# KiCad board 8ch-mosfet.kicad_pcb (continued)
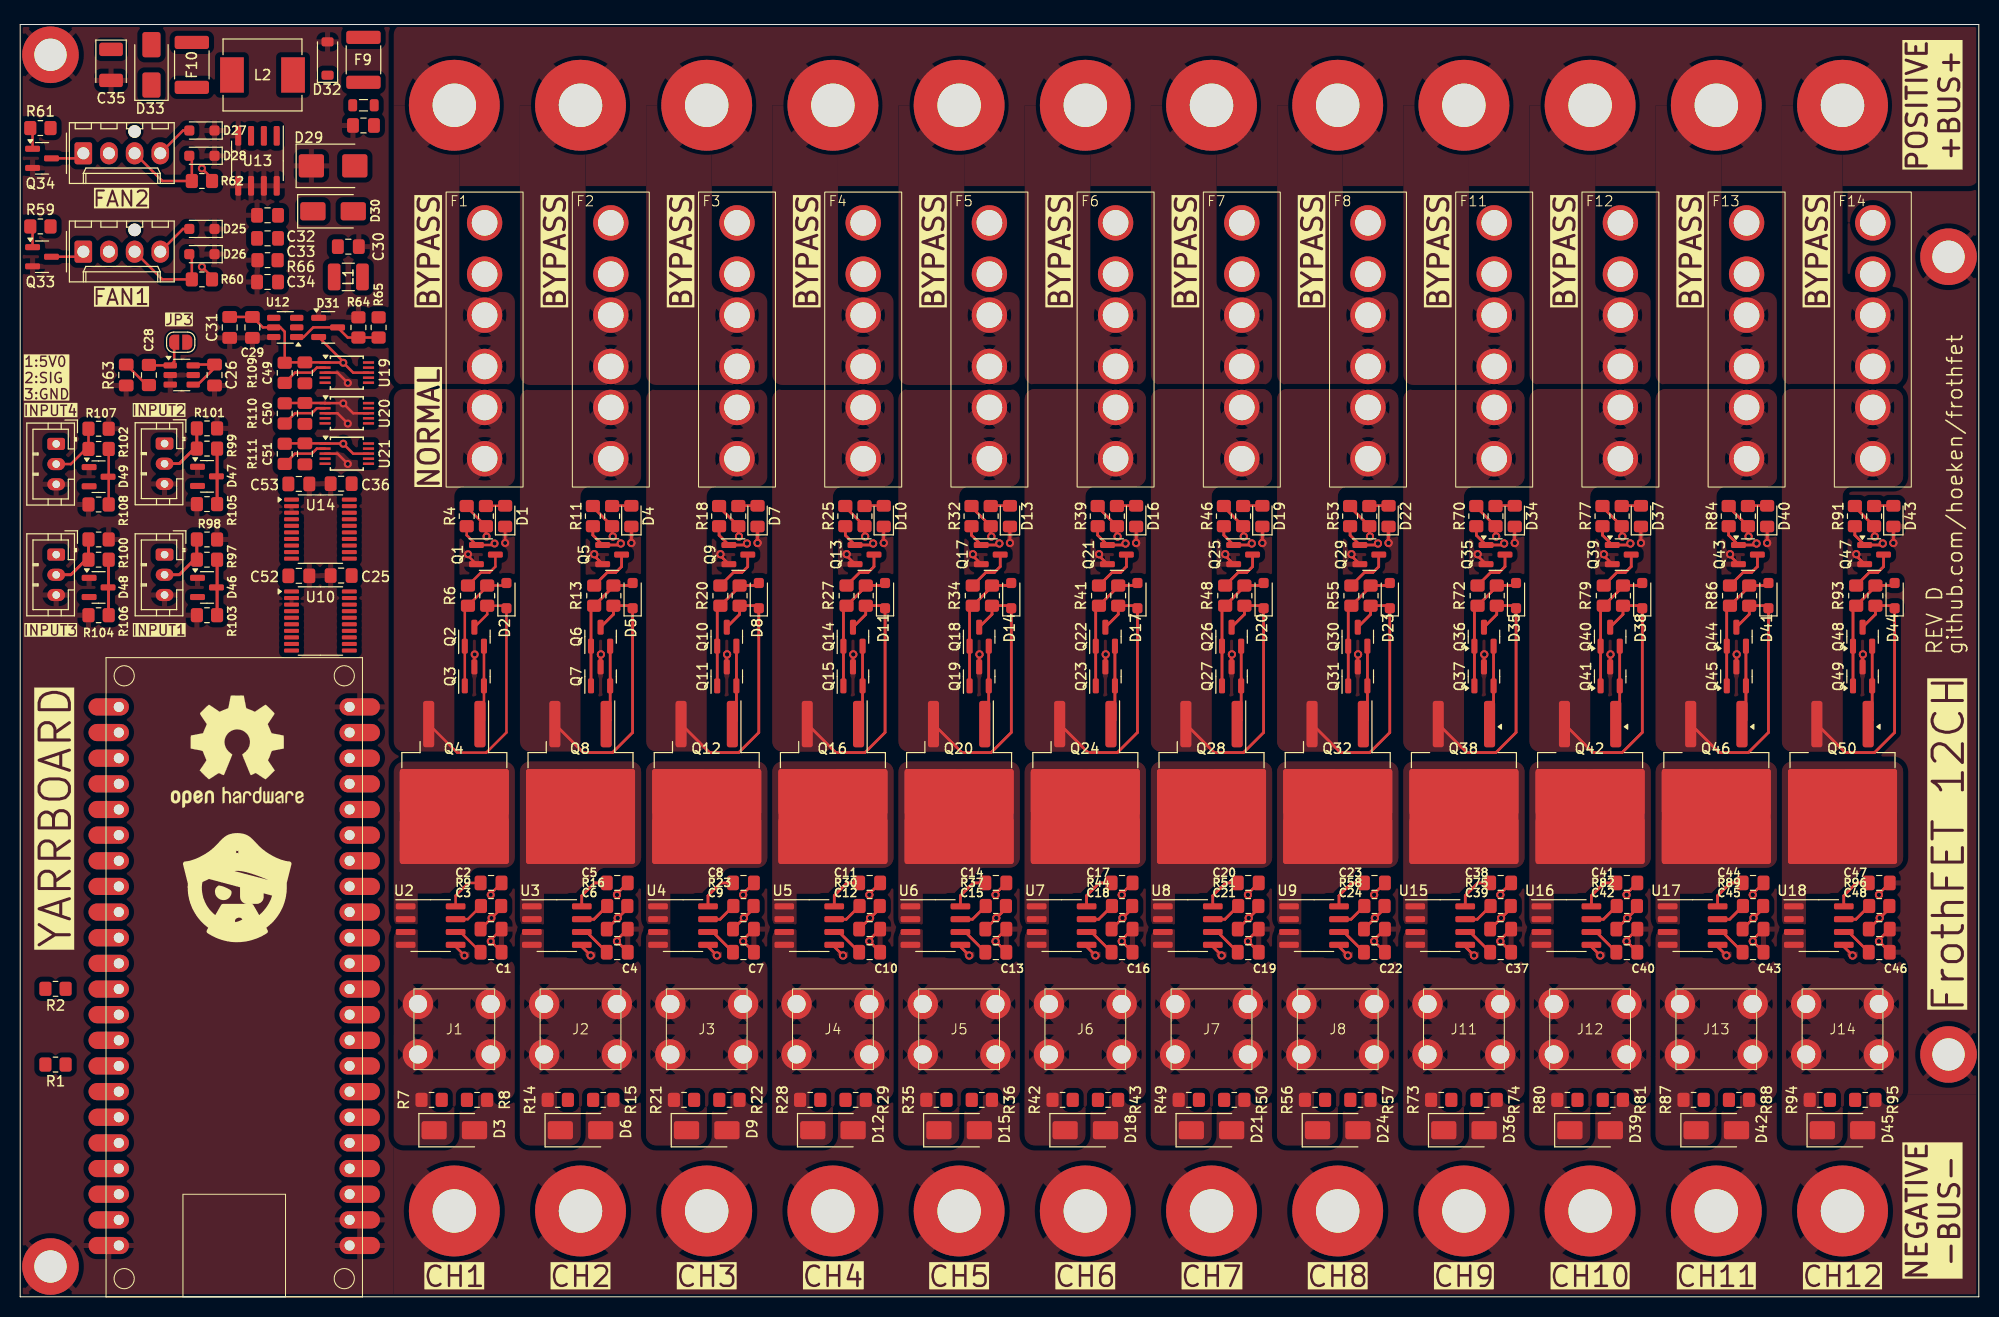
[diagram p0: board, top side]
## Routing (per net, layer and track width the routed paths; a pad name or vN(x,y) marks a point on that pad's centre or on a via; arc(x,y) is an arc through that point) (continued)
/CHANNEL 9/CURRENT_ADC: length 6.3
  Top w0.25: v1(146.68,37.51) 146.68,37.5 ; v1(146.68,37.51) 146.7,37.51 ; v1(146.68,37.51) 146.68,37.5 ; v1(146.68,37.51) 146.7,37.51 ; 146.68,37.5 C39.1 146.68,37.5 ; 146.7,37.51 147.64,38.45 ; 146.7,37.51 147.64,38.45 ; 147.64,38.45 R75.1 147.64,38.45
/CHANNEL 9/PWM: length 7.7
  Top w0.25: R69.2 146.13,75.36 ; R69.2 144.22,78.22 ; R69.2 146.13,75.36 ; R69.2 144.22,78.22 ; 146.13,75.36 v1(146.19,75.29) 146.13,75.36 ; 144.22,78.22 R70.1 144.22,78.22
/CHANNEL 10/CURRENT_ADC: length 6.3
  Top w0.25: 159.2,37.51 160.14,38.45 ; 159.2,37.51 v1(159.18,37.51) ; 159.2,37.51 160.14,38.45 ; 159.2,37.51 v1(159.18,37.51) ; 160.14,38.45 R82.1 160.14,38.45 ; v1(159.18,37.51) 159.18,37.5 ; v1(159.18,37.51) 159.18,37.5 ; 159.18,37.5 C42.1 159.18,37.5
/CHANNEL 10/PWM: length 7.7
  Top w0.25: 156.72,78.22 R77.1 156.72,78.22 ; 156.72,78.22 R76.2 ; 156.72,78.22 R76.2 ; R76.2 158.63,75.36 ; R76.2 158.63,75.36 ; 158.63,75.36 v1(158.69,75.29) 158.63,75.36
/CHANNEL 11/CURRENT_ADC: length 6.3
  Top w0.25: v1(171.68,37.51) 171.68,37.5 ; v1(171.68,37.51) 171.68,37.5 ; v1(171.68,37.51) 171.7,37.51 ; v1(171.68,37.51) 171.7,37.51 ; 171.68,37.5 C45.1 171.68,37.5 ; 172.64,38.45 R89.1 172.64,38.45 ; 172.64,38.45 171.7,37.51 ; 172.64,38.45 171.7,37.51
/CHANNEL 11/PWM: length 7.7
  Top w0.25: R83.2 171.13,75.36 ; R83.2 169.22,78.22 ; R83.2 171.13,75.36 ; R83.2 169.22,78.22 ; 171.13,75.36 v1(171.19,75.29) 171.13,75.36 ; 169.22,78.22 R84.1 169.22,78.22
/CHANNEL 12/CURRENT_ADC: length 6.3
  Top w0.25: v1(184.18,37.51) 184.18,37.5 ; v1(184.18,37.51) 184.18,37.5 ; v1(184.18,37.51) 184.2,37.51 ; v1(184.18,37.51) 184.2,37.51 ; 184.18,37.5 C48.1 184.18,37.5 ; 185.14,38.45 R96.1 185.14,38.45 ; 185.14,38.45 184.2,37.51 ; 185.14,38.45 184.2,37.51
/CHANNEL 12/PWM: length 7.7
  Top w0.25: 181.72,78.22 R91.1 181.72,78.22 ; 181.72,78.22 R90.2 ; 181.72,78.22 R90.2 ; 183.63,75.36 v1(183.69,75.29) 183.63,75.36 ; 183.63,75.36 R90.2 ; 183.63,75.36 R90.2
/CURRENT ADC2/A4: length 16.7
  Top w0.25: 19.5,70.31 D46.3 ; 19.5,70.31 R97.1 ; 19.5,70.31 D46.3 ; 19.5,70.31 D46.3 ; 19.5,70.31 R97.1 ; 19.5,70.31 R97.1 ; D46.3 19.5,70.19 ; D46.3 19.5,70.19 ; D46.3 19.5,70.19 ; 19.5,70.19 R103.2 ; 19.5,70.19 R103.2 ; 19.5,70.19 R103.2
/CURRENT ADC2/A5: length 16.7
  Top w0.25: 19.5,81.19 D47.3 ; 19.5,81.19 R105.2 ; 19.5,81.19 R105.2 ; 19.5,81.19 R105.2 ; 19.5,81.19 D47.3 ; 19.5,81.19 D47.3 ; D47.3 19.5,81.31 ; D47.3 19.5,81.31 ; D47.3 19.5,81.31 ; R99.1 19.5,81.31 ; R99.1 19.5,81.31 ; R99.1 19.5,81.31
/CURRENT ADC2/A6: length 16.7
  Top w0.25: 8.77,70.19 D48.3 ; 8.77,70.19 D48.3 ; 8.77,70.19 R106.2 ; 8.77,70.19 R106.2 ; 8.77,70.19 D48.3 ; 8.77,70.19 R106.2 ; D48.3 8.77,70.31 ; D48.3 8.77,70.31 ; D48.3 8.77,70.31 ; R100.1 8.77,70.31 ; R100.1 8.77,70.31 ; R100.1 8.77,70.31
/CURRENT ADC2/A7: length 5.6
  Top w0.25: R102.1 8.77,81.28 D49.3 8.77,81.15 R108.2
ESP32_5V: length 5.3
  Top w0.25: U11.6 17.22,92.33 C26.1 19.25,91.99 17.6,90.34 U11.4
FAN_PWM1: length 3.8
  Top w0.25: D25.2 16.13,105.76 FAN1.4
FAN_PWM2: length 3.8
  Top w0.25: FAN2.4 16.13,115.5 D27.2
FAN_TACH1: length 9.4
  Top w0.25: FAN1.3 14.08,100.76 R60.1 17,103.01 D26.2
FAN_TACH2: length 9.4
  Top w0.25: FAN2.3 14.08,110.5 R62.1 17,112.75 D28.2
REF_3V3: length 4.6
  Top w0.25: R63.2 12.8,92.24 U11.1 15.25,92.62 JP3.1
Net-(C28-Pad1): length 3.1
  Top w0.25: C28.1 12.54,90.29 R63.1
Net-(D1-A): length 1.9
  Top w0.25: R3.1 46.16,78.34 D1.2
Net-(D2-A): length 12.9
  Top w0.25: D2.2 47.91,70.44 R5.1 46.26,70.34 R6.2 44.04,68.12 Q2.1 Q3.1
Net-(D2-K): length 26.7
  Top w0.25: Q2.3 46.26,67.58 R5.2 47.91,68.44 D2.1 48.16,55.89 46.17,53.89 43.28,53.89 Q4.3
Net-(D4-A): length 3.8
  Top w0.25: 58.66,78.34 D4.2 58.66,78.34 ; 58.66,78.34 R10.1 58.66,78.34
Net-(D5-A): length 25.7
  Top w0.25: R12.1 60.41,70.44 ; R12.1 58.76,70.34 ; R12.1 58.76,70.34 ; R12.1 60.41,70.44 ; 60.41,70.44 D5.2 60.41,70.44 ; Q6.1 Q7.1 Q6.1 ; Q6.1 56.54,68.12 ; Q6.1 56.54,68.12 ; 58.76,70.34 R13.2 ; 58.76,70.34 R13.2 ; R13.2 56.54,68.12 ; R13.2 56.54,68.12
Net-(D5-K): length 53.3
  Top w0.25: R12.2 60.41,68.44 ; R12.2 58.76,67.58 ; R12.2 60.41,68.44 ; R12.2 58.76,67.58 ; 60.41,68.44 D5.1 ; 60.41,68.44 D5.1 ; 58.67,53.89 55.78,53.89 ; 58.67,53.89 55.78,53.89 ; 58.67,53.89 60.66,55.89 ; 58.67,53.89 60.66,55.89 ; 55.78,53.89 Q8.3 55.78,53.89 ; 58.76,67.58 Q6.3 58.76,67.58 ; D5.1 60.66,55.89 ; D5.1 60.66,55.89
Net-(D7-A): length 3.8
  Top w0.25: 71.16,78.34 D7.2 71.16,78.34 ; 71.16,78.34 R17.1 71.16,78.34
Net-(D8-A): length 25.7
  Top w0.25: 71.26,70.34 R20.2 ; 71.26,70.34 R20.2 ; 71.26,70.34 R19.1 ; 71.26,70.34 R19.1 ; R20.2 69.04,68.12 ; R20.2 69.04,68.12 ; 72.91,70.44 D8.2 72.91,70.44 ; 72.91,70.44 R19.1 ; 72.91,70.44 R19.1 ; 69.04,68.12 Q10.1 ; 69.04,68.12 Q10.1 ; Q10.1 Q11.1 Q10.1
Net-(D8-K): length 53.3
  Top w0.25: D8.1 73.16,55.89 ; D8.1 73.16,55.89 ; D8.1 72.91,68.44 ; D8.1 72.91,68.44 ; 73.16,55.89 71.17,53.89 ; 73.16,55.89 71.17,53.89 ; 71.26,67.58 Q10.3 71.26,67.58 ; 71.26,67.58 R19.2 ; 71.26,67.58 R19.2 ; R19.2 72.91,68.44 ; R19.2 72.91,68.44 ; 71.17,53.89 68.28,53.89 ; 71.17,53.89 68.28,53.89 ; 68.28,53.89 Q12.3 68.28,53.89
Net-(D10-A): length 3.8
  Top w0.25: 83.66,78.34 R24.1 83.66,78.34 ; 83.66,78.34 D10.2 83.66,78.34
Net-(D11-A): length 25.7
  Top w0.25: Q14.1 Q15.1 Q14.1 ; Q14.1 81.54,68.12 ; Q14.1 81.54,68.12 ; R27.2 81.54,68.12 ; R27.2 83.76,70.34 ; R27.2 83.76,70.34 ; R27.2 81.54,68.12 ; 83.76,70.34 R26.1 ; 83.76,70.34 R26.1 ; R26.1 85.41,70.44 ; R26.1 85.41,70.44 ; 85.41,70.44 D11.2 85.41,70.44
Net-(D11-K): length 53.3
  Top w0.25: R26.2 85.41,68.44 ; R26.2 85.41,68.44 ; R26.2 83.76,67.58 ; R26.2 83.76,67.58 ; 85.41,68.44 D11.1 ; 85.41,68.44 D11.1 ; 83.67,53.89 80.78,53.89 ; 83.67,53.89 85.66,55.89 ; 83.67,53.89 85.66,55.89 ; 83.67,53.89 80.78,53.89 ; 80.78,53.89 Q16.3 80.78,53.89 ; D11.1 85.66,55.89 ; D11.1 85.66,55.89 ; 83.76,67.58 Q14.3 83.76,67.58
Net-(D13-A): length 3.8
  Top w0.25: 96.16,78.34 R31.1 96.16,78.34 ; 96.16,78.34 D13.2 96.16,78.34
Net-(D14-A): length 25.7
  Top w0.25: Q18.1 Q19.1 Q18.1 ; Q18.1 94.04,68.12 ; Q18.1 94.04,68.12 ; R33.1 97.91,70.44 ; R33.1 96.26,70.34 ; R33.1 96.26,70.34 ; R33.1 97.91,70.44 ; 97.91,70.44 D14.2 97.91,70.44 ; 96.26,70.34 R34.2 ; 96.26,70.34 R34.2 ; R34.2 94.04,68.12 ; R34.2 94.04,68.12
Net-(D14-K): length 53.3
  Top w0.25: 97.91,68.44 D14.1 ; 97.91,68.44 R33.2 ; 97.91,68.44 R33.2 ; 97.91,68.44 D14.1 ; D14.1 98.16,55.89 ; D14.1 98.16,55.89 ; R33.2 96.26,67.58 ; R33.2 96.26,67.58 ; 96.26,67.58 Q18.3 96.26,67.58 ; 96.17,53.89 93.28,53.89 ; 96.17,53.89 93.28,53.89 ; 96.17,53.89 98.16,55.89 ; 96.17,53.89 98.16,55.89 ; 93.28,53.89 Q20.3 93.28,53.89
Net-(D16-A): length 3.8
  Top w0.25: 108.66,78.34 R38.1 108.66,78.34 ; 108.66,78.34 D16.2 108.66,78.34
Net-(D17-A): length 25.7
  Top w0.25: Q22.1 Q23.1 Q22.1 ; Q22.1 106.54,68.12 ; Q22.1 106.54,68.12 ; 108.76,70.34 R41.2 ; 108.76,70.34 R40.1 ; 108.76,70.34 R40.1 ; 108.76,70.34 R41.2 ; R41.2 106.54,68.12 ; R41.2 106.54,68.12 ; R40.1 110.41,70.44 ; R40.1 110.41,70.44 ; 110.41,70.44 D17.2 110.41,70.44
Net-(D17-K): length 53.3
  Top w0.25: 108.67,53.89 105.78,53.89 ; 108.67,53.89 105.78,53.89 ; 108.67,53.89 110.66,55.89 ; 108.67,53.89 110.66,55.89 ; 105.78,53.89 Q24.3 105.78,53.89 ; 108.76,67.58 Q22.3 108.76,67.58 ; 108.76,67.58 R40.2 ; 108.76,67.58 R40.2 ; 110.41,68.44 D17.1 ; 110.41,68.44 R40.2 ; 110.41,68.44 D17.1 ; 110.41,68.44 R40.2 ; D17.1 110.66,55.89 ; D17.1 110.66,55.89
Net-(D19-A): length 3.8
  Top w0.25: 121.16,78.34 R45.1 121.16,78.34 ; 121.16,78.34 D19.2 121.16,78.34
Net-(D20-A): length 25.7
  Top w0.25: R47.1 121.26,70.34 ; R47.1 122.91,70.44 ; R47.1 122.91,70.44 ; R47.1 121.26,70.34 ; 121.26,70.34 R48.2 ; 121.26,70.34 R48.2 ; 122.91,70.44 D20.2 122.91,70.44 ; Q26.1 Q27.1 Q26.1 ; Q26.1 119.04,68.12 ; Q26.1 119.04,68.12 ; R48.2 119.04,68.12 ; R48.2 119.04,68.12
Net-(D20-K): length 53.3
  Top w0.25: R47.2 122.91,68.44 ; R47.2 121.26,67.58 ; R47.2 121.26,67.58 ; R47.2 122.91,68.44 ; 122.91,68.44 D20.1 ; 122.91,68.44 D20.1 ; 121.26,67.58 Q26.3 121.26,67.58 ; D20.1 123.16,55.89 ; D20.1 123.16,55.89 ; 123.16,55.89 121.17,53.89 ; 123.16,55.89 121.17,53.89 ; 121.17,53.89 118.28,53.89 ; 121.17,53.89 118.28,53.89 ; 118.28,53.89 Q28.3 118.28,53.89
Net-(D22-A): length 3.8
  Top w0.25: 133.66,78.34 D22.2 133.66,78.34 ; 133.66,78.34 R52.1 133.66,78.34
Net-(D23-A): length 25.7
  Top w0.25: R54.1 135.41,70.44 ; R54.1 135.41,70.44 ; R54.1 133.76,70.34 ; R54.1 133.76,70.34 ; 135.41,70.44 D23.2 135.41,70.44 ; R55.2 131.54,68.12 ; R55.2 133.76,70.34 ; R55.2 131.54,68.12 ; R55.2 133.76,70.34 ; 131.54,68.12 Q30.1 ; 131.54,68.12 Q30.1 ; Q30.1 Q31.1 Q30.1
Net-(D23-K): length 53.3
  Top w0.25: 135.41,68.44 D23.1 ; 135.41,68.44 R54.2 ; 135.41,68.44 R54.2 ; 135.41,68.44 D23.1 ; D23.1 135.66,55.89 ; D23.1 135.66,55.89 ; R54.2 133.76,67.58 ; R54.2 133.76,67.58 ; 133.76,67.58 Q30.3 133.76,67.58 ; 135.66,55.89 133.67,53.89 ; 135.66,55.89 133.67,53.89 ; 133.67,53.89 130.78,53.89 ; 133.67,53.89 130.78,53.89 ; 130.78,53.89 Q32.3 130.78,53.89
Net-(D31-COM): length 8.9
  Top w0.25: U12.1 28.08,95.05 29.03,96 D31.3 32.44,95 R65.2 R64.1
Net-(D34-A): length 3.8
  Top w0.25: 146.16,78.34 R69.1 146.16,78.34 ; 146.16,78.34 D34.2 146.16,78.34
Net-(D35-A): length 25.7
  Top w0.25: 144.04,68.12 Q36.1 ; 144.04,68.12 R72.2 ; 144.04,68.12 Q36.1 ; 144.04,68.12 R72.2 ; Q36.1 Q37.1 Q36.1 ; 146.26,70.34 R72.2 ; 146.26,70.34 R71.1 ; 146.26,70.34 R72.2 ; 146.26,70.34 R71.1 ; R71.1 147.91,70.44 ; R71.1 147.91,70.44 ; 147.91,70.44 D35.2 147.91,70.44
Net-(D35-K): length 53.3
  Top w0.25: 147.91,68.44 D35.1 ; 147.91,68.44 R71.2 ; 147.91,68.44 R71.2 ; 147.91,68.44 D35.1 ; D35.1 148.16,55.89 ; D35.1 148.16,55.89 ; 148.16,55.89 146.17,53.89 ; 148.16,55.89 146.17,53.89 ; 146.17,53.89 143.28,53.89 ; 146.17,53.89 143.28,53.89 ; R71.2 146.26,67.58 ; R71.2 146.26,67.58 ; 143.28,53.89 Q38.3 143.28,53.89 ; 146.26,67.58 Q36.3 146.26,67.58
Net-(D37-A): length 3.8
  Top w0.25: 158.66,78.34 R76.1 158.66,78.34 ; 158.66,78.34 D37.2 158.66,78.34
Net-(D38-A): length 25.7
  Top w0.25: 160.41,70.44 D38.2 160.41,70.44 ; 160.41,70.44 R78.1 ; 160.41,70.44 R78.1 ; R78.1 158.76,70.34 ; R78.1 158.76,70.34 ; 156.54,68.12 Q40.1 ; 156.54,68.12 R79.2 ; 156.54,68.12 R79.2 ; 156.54,68.12 Q40.1 ; Q40.1 Q41.1 Q40.1 ; 158.76,70.34 R79.2 ; 158.76,70.34 R79.2
Net-(D38-K): length 53.3
  Top w0.25: R78.2 160.41,68.44 ; R78.2 158.76,67.58 ; R78.2 160.41,68.44 ; R78.2 158.76,67.58 ; 160.41,68.44 D38.1 ; 160.41,68.44 D38.1 ; 158.76,67.58 Q40.3 158.76,67.58 ; 160.66,55.89 158.67,53.89 ; 160.66,55.89 D38.1 ; 160.66,55.89 158.67,53.89 ; 160.66,55.89 D38.1 ; 158.67,53.89 155.78,53.89 ; 158.67,53.89 155.78,53.89 ; 155.78,53.89 Q42.3 155.78,53.89
Net-(D40-A): length 3.8
  Top w0.25: 171.16,78.34 R83.1 171.16,78.34 ; 171.16,78.34 D40.2 171.16,78.34
Net-(D41-A): length 25.7
  Top w0.25: R85.1 172.91,70.44 ; R85.1 171.26,70.34 ; R85.1 172.91,70.44 ; R85.1 171.26,70.34 ; 172.91,70.44 D41.2 172.91,70.44 ; 171.26,70.34 R86.2 ; 171.26,70.34 R86.2 ; 169.04,68.12 Q44.1 ; 169.04,68.12 Q44.1 ; 169.04,68.12 R86.2 ; 169.04,68.12 R86.2 ; Q44.1 Q45.1 Q44.1
Net-(D41-K): length 53.3
  Top w0.25: R85.2 172.91,68.44 ; R85.2 172.91,68.44 ; R85.2 171.26,67.58 ; R85.2 171.26,67.58 ; 172.91,68.44 D41.1 ; 172.91,68.44 D41.1 ; 168.28,53.89 Q46.3 168.28,53.89 ; 168.28,53.89 171.17,53.89 ; 168.28,53.89 171.17,53.89 ; D41.1 173.16,55.89 ; D41.1 173.16,55.89 ; 173.16,55.89 171.17,53.89 ; 173.16,55.89 171.17,53.89 ; 171.26,67.58 Q44.3 171.26,67.58
Net-(D43-A): length 3.8
  Top w0.25: 183.66,78.34 R90.1 183.66,78.34 ; 183.66,78.34 D43.2 183.66,78.34
Net-(D44-A): length 25.7
  Top w0.25: 185.41,70.44 D44.2 185.41,70.44 ; 185.41,70.44 R92.1 ; 185.41,70.44 R92.1 ; R92.1 183.76,70.34 ; R92.1 183.76,70.34 ; 183.76,70.34 R93.2 ; 183.76,70.34 R93.2 ; 181.54,68.12 Q48.1 ; 181.54,68.12 R93.2 ; 181.54,68.12 Q48.1 ; 181.54,68.12 R93.2 ; Q48.1 Q49.1 Q48.1
Net-(D44-K): length 53.3
  Top w0.25: 180.78,53.89 Q50.3 180.78,53.89 ; 180.78,53.89 183.67,53.89 ; 180.78,53.89 183.67,53.89 ; 185.66,55.89 183.67,53.89 ; 185.66,55.89 D44.1 ; 185.66,55.89 D44.1 ; 185.66,55.89 183.67,53.89 ; 185.41,68.44 D44.1 ; 185.41,68.44 R92.2 ; 185.41,68.44 R92.2 ; 185.41,68.44 D44.1 ; R92.2 183.76,67.58 ; R92.2 183.76,67.58 ; 183.76,67.58 Q48.3 183.76,67.58
Net-(FAN1--): length 3.4
  Top w0.25: FAN1.1 5.75,103 Q33.3
Net-(FAN2--): length 3.4
  Top w0.25: Q34.3 5.75,112.74 FAN2.1
Net-(INPUT1-Pin_2): length 17.5
  Top w0.25: R98.2 R97.2 ; R98.2 R97.2 ; R98.2 R97.2 ; R97.2 17.25,73 ; R97.2 17.25,73 ; R97.2 17.25,73 ; 15.75,71.5 INPUT1.2 ; 15.75,71.5 17.25,73 ; 15.75,71.5 INPUT1.2 ; 15.75,71.5 17.25,73 ; 15.75,71.5 INPUT1.2 ; 15.75,71.5 17.25,73
Net-(INPUT2-Pin_2): length 17.5
  Top w0.25: R101.2 R99.2 ; R101.2 R99.2 ; R101.2 R99.2 ; R99.2 17.25,84 ; R99.2 17.25,84 ; R99.2 17.25,84 ; 15.75,82.5 INPUT2.2 ; 15.75,82.5 INPUT2.2 ; 15.75,82.5 17.25,84 ; 15.75,82.5 17.25,84 ; 15.75,82.5 17.25,84 ; 15.75,82.5 INPUT2.2
Net-(INPUT3-Pin_2): length 17.5
  Top w0.25: R104.2 R100.2 ; R104.2 R100.2 ; R104.2 R100.2 ; R100.2 6.52,73 ; R100.2 6.52,73 ; R100.2 6.52,73 ; 6.52,73 5.02,71.5 ; 6.52,73 5.02,71.5 ; 6.52,73 5.02,71.5 ; 5.02,71.5 INPUT3.2 ; 5.02,71.5 INPUT3.2 ; 5.02,71.5 INPUT3.2
Net-(INPUT4-Pin_2): length 5.8
  Top w0.25: R107.2 R102.2 6.52,83.97 5.02,82.47 INPUT4.2
Net-(Q1-D): length 4.7
  Top w0.25: Q1.3 47.07,72.31 46.48,71.73 45.64,71.73 R6.1
Net-(Q1-G): length 4.1
  Top w0.25: R4.2 44.22,75.42 Q1.1 46.84,74.45 v1(46.99,74.6)
Net-(Q2-E): length 8.6
  Top w0.25: 45.94,61.26 45.94,57.11 Q4.1 ; Q2.2 Q3.2
Net-(Q5-D): length 9.4
  Top w0.25: 59.57,72.31 Q5.3 59.57,72.31 ; 59.57,72.31 58.98,71.73 ; 59.57,72.31 58.98,71.73 ; 58.14,71.73 R13.1 58.14,71.73 ; 58.14,71.73 58.98,71.73 ; 58.14,71.73 58.98,71.73
Net-(Q5-G): length 8.2
  Top w0.25: 56.72,75.42 R11.2 56.72,75.42 ; 56.72,75.42 Q5.1 ; 56.72,75.42 Q5.1 ; 59.34,74.45 v1(59.49,74.6) 59.34,74.45 ; 59.34,74.45 Q5.1 ; 59.34,74.45 Q5.1
Net-(Q6-E): length 17.3
  Top w0.25: 58.44,57.11 58.44,61.26 58.44,57.11 ; 58.44,57.11 Q8.1 58.44,57.11 ; Q6.2 Q7.2 Q6.2
Net-(Q9-D): length 9.4
  Top w0.25: 70.64,71.73 R20.1 70.64,71.73 ; 70.64,71.73 71.48,71.73 ; 70.64,71.73 71.48,71.73 ; 72.07,72.31 Q9.3 72.07,72.31 ; 72.07,72.31 71.48,71.73 ; 72.07,72.31 71.48,71.73
Net-(Q9-G): length 8.2
  Top w0.25: 69.22,75.42 R18.2 69.22,75.42 ; 69.22,75.42 Q9.1 ; 69.22,75.42 Q9.1 ; 71.84,74.45 Q9.1 ; 71.84,74.45 Q9.1 ; 71.84,74.45 v1(71.99,74.6) 71.84,74.45
Net-(Q10-E): length 17.3
  Top w0.25: 70.94,57.11 Q12.1 70.94,57.11 ; 70.94,57.11 70.94,61.26 70.94,57.11 ; Q10.2 Q11.2 Q10.2
Net-(Q13-D): length 9.4
  Top w0.25: 84.57,72.31 Q13.3 84.57,72.31 ; 84.57,72.31 83.99,71.73 ; 84.57,72.31 83.99,71.73 ; 83.14,71.73 R27.1 83.14,71.73 ; 83.14,71.73 83.99,71.73 ; 83.14,71.73 83.99,71.73
Net-(Q13-G): length 8.2
  Top w0.25: 81.72,75.42 Q13.1 ; 81.72,75.42 R25.2 81.72,75.42 ; 81.72,75.42 Q13.1 ; Q13.1 84.34,74.45 ; Q13.1 84.34,74.45 ; 84.34,74.45 v1(84.49,74.6) 84.34,74.45
Net-(Q14-E): length 17.3
  Top w0.25: 83.44,57.11 Q16.1 83.44,57.11 ; 83.44,57.11 83.44,61.26 83.44,57.11 ; Q14.2 Q15.2 Q14.2
Net-(Q17-D): length 9.4
  Top w0.25: 95.64,71.73 R34.1 95.64,71.73 ; 95.64,71.73 96.49,71.73 ; 95.64,71.73 96.49,71.73 ; 96.49,71.73 97.07,72.31 ; 96.49,71.73 97.07,72.31 ; 97.07,72.31 Q17.3 97.07,72.31
Net-(Q17-G): length 8.2
  Top w0.25: 96.84,74.45 v1(96.99,74.6) 96.84,74.45 ; 96.84,74.45 Q17.1 ; 96.84,74.45 Q17.1 ; 94.22,75.42 R32.2 94.22,75.42 ; 94.22,75.42 Q17.1 ; 94.22,75.42 Q17.1
Net-(Q18-E): length 17.3
  Top w0.25: 95.94,57.11 Q20.1 95.94,57.11 ; 95.94,57.11 95.94,61.26 95.94,57.11 ; Q18.2 Q19.2 Q18.2
Net-(Q21-D): length 9.4
  Top w0.25: 108.14,71.73 108.99,71.73 ; 108.14,71.73 R41.1 108.14,71.73 ; 108.14,71.73 108.99,71.73 ; 108.99,71.73 109.57,72.31 ; 108.99,71.73 109.57,72.31 ; 109.57,72.31 Q21.3 109.57,72.31
Net-(Q21-G): length 8.2
  Top w0.25: 106.72,75.42 R39.2 106.72,75.42 ; 106.72,75.42 Q21.1 ; 106.72,75.42 Q21.1 ; Q21.1 109.34,74.45 ; Q21.1 109.34,74.45 ; 109.34,74.45 v1(109.49,74.6) 109.34,74.45
Net-(Q22-E): length 17.3
  Top w0.25: 108.44,57.11 108.44,61.26 108.44,57.11 ; 108.44,57.11 Q24.1 108.44,57.11 ; Q22.2 Q23.2 Q22.2
Net-(Q25-D): length 9.4
  Top w0.25: 120.64,71.73 121.49,71.73 ; 120.64,71.73 R48.1 120.64,71.73 ; 120.64,71.73 121.49,71.73 ; 121.49,71.73 122.07,72.31 ; 121.49,71.73 122.07,72.31 ; 122.07,72.31 Q25.3 122.07,72.31
Net-(Q25-G): length 8.2
  Top w0.25: 121.84,74.45 v1(121.99,74.6) 121.84,74.45 ; 121.84,74.45 Q25.1 ; 121.84,74.45 Q25.1 ; Q25.1 119.22,75.42 ; Q25.1 119.22,75.42 ; 119.22,75.42 R46.2 119.22,75.42
Net-(Q26-E): length 17.3
  Top w0.25: 120.94,57.11 120.94,61.26 120.94,57.11 ; 120.94,57.11 Q28.1 120.94,57.11 ; Q26.2 Q27.2 Q26.2
Net-(Q29-D): length 9.4
  Top w0.25: 133.14,71.73 133.99,71.73 ; 133.14,71.73 R55.1 133.14,71.73 ; 133.14,71.73 133.99,71.73 ; 133.99,71.73 134.57,72.31 ; 133.99,71.73 134.57,72.31 ; 134.57,72.31 Q29.3 134.57,72.31
Net-(Q29-G): length 8.2
  Top w0.25: 131.72,75.42 R53.2 131.72,75.42 ; 131.72,75.42 Q29.1 ; 131.72,75.42 Q29.1 ; 134.34,74.45 v1(134.49,74.6) 134.34,74.45 ; 134.34,74.45 Q29.1 ; 134.34,74.45 Q29.1
Net-(Q30-E): length 17.3
  Top w0.25: 133.44,57.11 133.44,61.26 133.44,57.11 ; 133.44,57.11 Q32.1 133.44,57.11 ; Q30.2 Q31.2 Q30.2
Net-(Q33-G): length 2.1
  Top w0.25: R59.1 1.23,105.77 Q33.1
Net-(Q34-G): length 2.1
  Top w0.25: Q34.1 1.23,115.52 R61.1
Net-(Q35-D): length 9.4
  Top w0.25: 146.49,71.73 147.07,72.31 ; 146.49,71.73 145.64,71.73 ; 146.49,71.73 147.07,72.31 ; 146.49,71.73 145.64,71.73 ; 147.07,72.31 Q35.3 147.07,72.31 ; 145.64,71.73 R72.1 145.64,71.73
Net-(Q35-G): length 8.2
  Top w0.25: 146.84,74.45 v1(146.99,74.6) 146.84,74.45 ; 146.84,74.45 Q35.1 ; 146.84,74.45 Q35.1 ; Q35.1 144.22,75.42 ; Q35.1 144.22,75.42 ; 144.22,75.42 R70.2 144.22,75.42
Net-(Q36-E): length 17.3
  Top w0.25: 145.94,57.11 Q38.1 145.94,57.11 ; 145.94,57.11 145.94,61.26 145.94,57.11 ; Q36.2 Q37.2 Q36.2
Net-(Q39-D): length 9.4
  Top w0.25: 158.99,71.73 159.57,72.31 ; 158.99,71.73 159.57,72.31 ; 158.99,71.73 158.14,71.73 ; 158.99,71.73 158.14,71.73 ; 159.57,72.31 Q39.3 159.57,72.31 ; 158.14,71.73 R79.1 158.14,71.73
Net-(Q39-G): length 8.2
  Top w0.25: 159.34,74.45 Q39.1 ; 159.34,74.45 v1(159.49,74.6) 159.34,74.45 ; 159.34,74.45 Q39.1 ; Q39.1 156.72,75.42 ; Q39.1 156.72,75.42 ; 156.72,75.42 R77.2 156.72,75.42
Net-(Q40-E): length 17.3
  Top w0.25: 158.44,57.11 158.44,61.26 158.44,57.11 ; 158.44,57.11 Q42.1 158.44,57.11 ; Q40.2 Q41.2 Q40.2
Net-(Q43-D): length 9.4
  Top w0.25: 171.49,71.73 172.07,72.31 ; 171.49,71.73 170.64,71.73 ; 171.49,71.73 170.64,71.73 ; 171.49,71.73 172.07,72.31 ; 172.07,72.31 Q43.3 172.07,72.31 ; 170.64,71.73 R86.1 170.64,71.73
Net-(Q43-G): length 8.2
  Top w0.25: 171.84,74.45 v1(171.99,74.6) 171.84,74.45 ; 171.84,74.45 Q43.1 ; 171.84,74.45 Q43.1 ; 169.22,75.42 R84.2 169.22,75.42 ; 169.22,75.42 Q43.1 ; 169.22,75.42 Q43.1
Net-(Q44-E): length 17.3
  Top w0.25: 170.94,57.11 170.94,61.26 170.94,57.11 ; 170.94,57.11 Q46.1 170.94,57.11 ; Q44.2 Q45.2 Q44.2
Net-(Q47-D): length 9.4
  Top w0.25: 183.99,71.73 184.57,72.31 ; 183.99,71.73 183.14,71.73 ; 183.99,71.73 183.14,71.73 ; 183.99,71.73 184.57,72.31 ; 184.57,72.31 Q47.3 184.57,72.31 ; 183.14,71.73 R93.1 183.14,71.73
Net-(Q47-G): length 8.2
  Top w0.25: 184.34,74.45 v1(184.49,74.6) 184.34,74.45 ; 184.34,74.45 Q47.1 ; 184.34,74.45 Q47.1 ; 181.72,75.42 Q47.1 ; 181.72,75.42 Q47.1 ; 181.72,75.42 R91.2 181.72,75.42
Net-(Q48-E): length 17.3
  Top w0.25: 183.44,57.11 Q50.1 183.44,57.11 ; 183.44,57.11 183.44,61.26 183.44,57.11 ; Q48.2 Q49.2 Q48.2
Net-(U2-FILTER): length 3.3
  Top w0.25: U2.6 43.6,36.13 C1.1
Net-(U2-VIOUT): length 3
  Top w0.25: R9.2 44.33,37.4 U2.7
Net-(U3-FILTER): length 6.6
  Top w0.25: 56.1,36.13 U3.6 56.1,36.13 ; 56.1,36.13 C4.1 56.1,36.13
Net-(U3-VIOUT): length 6.1
  Top w0.25: 56.83,37.4 R16.2 56.83,37.4 ; 56.83,37.4 U3.7 56.83,37.4
Net-(U4-FILTER): length 6.6
  Top w0.25: 68.6,36.13 C7.1 68.6,36.13 ; 68.6,36.13 U4.6 68.6,36.13
Net-(U4-VIOUT): length 6.1
  Top w0.25: 69.33,37.4 R23.2 69.33,37.4 ; 69.33,37.4 U4.7 69.33,37.4
Net-(U5-FILTER): length 6.6
  Top w0.25: 81.1,36.13 C10.1 81.1,36.13 ; 81.1,36.13 U5.6 81.1,36.13
Net-(U5-VIOUT): length 6.1
  Top w0.25: 81.84,37.4 U5.7 81.84,37.4 ; 81.84,37.4 R30.2 81.84,37.4
Net-(U6-FILTER): length 6.6
  Top w0.25: 93.6,36.13 U6.6 93.6,36.13 ; 93.6,36.13 C13.1 93.6,36.13
Net-(U6-VIOUT): length 6.1
  Top w0.25: 94.34,37.4 R37.2 94.34,37.4 ; 94.34,37.4 U6.7 94.34,37.4
Net-(U7-FILTER): length 6.6
  Top w0.25: 106.1,36.13 U7.6 106.1,36.13 ; 106.1,36.13 C16.1 106.1,36.13
Net-(U7-VIOUT): length 6.1
  Top w0.25: 106.84,37.4 U7.7 106.84,37.4 ; 106.84,37.4 R44.2 106.84,37.4
Net-(U8-FILTER): length 6.6
  Top w0.25: 118.6,36.13 C19.1 118.6,36.13 ; 118.6,36.13 U8.6 118.6,36.13
Net-(U8-VIOUT): length 6.1
  Top w0.25: 119.34,37.4 U8.7 119.34,37.4 ; 119.34,37.4 R51.2 119.34,37.4
Net-(U9-FILTER): length 6.6
  Top w0.25: 131.1,36.13 U9.6 131.1,36.13 ; 131.1,36.13 C22.1 131.1,36.13
Net-(U9-VIOUT): length 6.1
  Top w0.25: 131.84,37.4 U9.7 131.84,37.4 ; 131.84,37.4 R58.2 131.84,37.4
Net-(U15-FILTER): length 6.6
  Top w0.25: 143.6,36.13 U15.6 143.6,36.13 ; 143.6,36.13 C37.1 143.6,36.13
Net-(U15-VIOUT): length 6.1
  Top w0.25: 144.34,37.4 R75.2 144.34,37.4 ; 144.34,37.4 U15.7 144.34,37.4
Net-(U16-FILTER): length 6.6
  Top w0.25: 156.1,36.13 U16.6 156.1,36.13 ; 156.1,36.13 C40.1 156.1,36.13
Net-(U16-VIOUT): length 6.1
  Top w0.25: 156.84,37.4 R82.2 156.84,37.4 ; 156.84,37.4 U16.7 156.84,37.4
Net-(U17-FILTER): length 6.6
  Top w0.25: 168.6,36.13 C43.1 168.6,36.13 ; 168.6,36.13 U17.6 168.6,36.13
Net-(U17-VIOUT): length 6.1
  Top w0.25: 169.34,37.4 R89.2 169.34,37.4 ; 169.34,37.4 U17.7 169.34,37.4
Net-(U18-FILTER): length 6.6
  Top w0.25: 181.1,36.13 C46.1 181.1,36.13 ; 181.1,36.13 U18.6 181.1,36.13
Net-(U18-VIOUT): length 6.1
  Top w0.25: 181.84,37.4 R96.2 181.84,37.4 ; 181.84,37.4 U18.7 181.84,37.4
Net-(U19-ALERT/RDY): length 4.6
  Top w0.25: R109.1 27.22,91.53 28.89,91.53 29.39,92.02 U19.2
Net-(U20-ALERT/RDY): length 4.6
  Top w0.25: U20.2 29.39,88 28.89,87.5 27.22,87.5 R110.1
Net-(U21-ALERT/RDY): length 4.6
  Top w0.25: R111.1 27.22,83.5 28.89,83.5 29.39,84 U21.2

## Copper pours and planes (outline as drawn; the poured copper is in the pictures)
+3.3V on In2.Cu: 194,0 194,126 0,126 0,0
+24V on Top: 162,90.3 174,90.3 174,99.5 168.5,99.5 168.5,118 162,118
+24V on Top: 99.5,90.3 111.5,90.3 111.5,99.5 106,99.5 106,118 99.5,118
+24V on Top: 124.5,90.3 136.5,90.3 136.5,99.5 131,99.5 131,118 124.5,118
+24V on Top: 37,90.3 49,90.3 49,99.5 43.5,99.5 43.5,118 37,118
+24V on Top: 174.5,90.3 186.5,90.3 186.5,99.5 180.5,99.5 180.5,118 174.5,118
+24V on Top: 112,90.3 124,90.3 124,99.5 118.5,99.5 118.5,118 112,118
+24V on Top: 149.5,90.3 161.5,90.3 161.5,99.5 156,99.5 156,118 149.5,118
+24V on Top: 49.5,90.3 61.5,90.3 61.5,99.5 56,99.5 56,118 49.5,118
+24V on Top: 137,90.3 149,90.3 149,99.5 143.5,99.5 143.5,118 137,118
+24V on Top: 74.5,90.3 86.5,90.3 86.5,99.5 81,99.5 81,118 74.5,118
+24V on Top: 62,90.3 74,90.3 74,99.5 68.5,99.5 68.5,118 62,118
+24V on Top: 87,90.3 99,90.3 99,99.5 93.5,99.5 93.5,118 87,118
+24V on Top, Bottom: 37,126 37,110 194,110 194,126
GND on Top, Bottom: 37,20 37,0 194,0 194,20
GND on Top, Bottom, In1.Cu: 0,126 194,126 194,0 0,0
Net-(D2-K) on Top: 49,89.9 37,89.9 37,54 43,54 43,80.25 49,80.25
Net-(D3-K) on Top: 41,36.5 41,33.5 49,33.5 49,19.5 43,19.5 43,15 36.99,15 37,36.5
Net-(D3-K) on Bottom: 37,20 37,109 49,109 49,99.5 43,99.5 43,32.5 49,32.5 49,20
Net-(D5-K) on Top: 61.5,89.9 49.5,89.9 49.5,54 55.5,54 55.5,80.25 61.5,80.25
Net-(D6-K) on Top: 53.5,36.5 53.5,33.5 61.5,33.5 61.5,19.5 55.5,19.5 55.5,15 49.49,15 49.5,36.5
Net-(D6-K) on Top: 53.5,36.5 53.5,33.5 61.5,33.5 61.5,19.5 55.5,19.5 55.5,15 49.49,15 49.5,36.5
Net-(D6-K) on Bottom: 49.5,20 49.5,109 61.5,109 61.5,99.5 55.5,99.5 55.5,32.5 61.5,32.5 61.5,20
Net-(D6-K) on Bottom: 49.5,20 49.5,109 61.5,109 61.5,99.5 55.5,99.5 55.5,32.5 61.5,32.5 61.5,20
Net-(D8-K) on Top: 74,89.9 62,89.9 62,54 68,54 68,80.25 74,80.25
Net-(D9-K) on Top: 66,36.5 66,33.5 74,33.5 74,19.5 68,19.5 68,15 61.99,15 62,36.5
Net-(D9-K) on Top: 66,36.5 66,33.5 74,33.5 74,19.5 68,19.5 68,15 61.99,15 62,36.5
Net-(D9-K) on Bottom: 62,20 62,109 74,109 74,99.5 68,99.5 68,32.5 74,32.5 74,20
Net-(D9-K) on Bottom: 62,20 62,109 74,109 74,99.5 68,99.5 68,32.5 74,32.5 74,20
Net-(D11-K) on Top: 86.5,89.9 74.5,89.9 74.5,54 80.5,54 80.5,80.25 86.5,80.25
Net-(D11-K) on Top: 86.5,89.9 74.5,89.9 74.5,54 80.5,54 80.5,80.25 86.5,80.25
Net-(D12-K) on Top: 78.5,36.5 78.5,33.5 86.5,33.5 86.5,19.5 80.5,19.5 80.5,15 74.49,15 74.5,36.5
Net-(D12-K) on Top: 78.5,36.5 78.5,33.5 86.5,33.5 86.5,19.5 80.5,19.5 80.5,15 74.49,15 74.5,36.5
Net-(D12-K) on Bottom: 74.5,20 74.5,109 86.5,109 86.5,99.5 80.5,99.5 80.5,32.5 86.5,32.5 86.5,20
Net-(D12-K) on Bottom: 74.5,20 74.5,109 86.5,109 86.5,99.5 80.5,99.5 80.5,32.5 86.5,32.5 86.5,20
Net-(D14-K) on Top: 99,89.9 87,89.9 87,54 93,54 93,80.25 99,80.25
Net-(D14-K) on Top: 99,89.9 87,89.9 87,54 93,54 93,80.25 99,80.25
Net-(D15-K) on Top: 91,36.5 91,33.5 99,33.5 99,19.5 93,19.5 93,15 86.99,15 87,36.5
Net-(D15-K) on Top: 91,36.5 91,33.5 99,33.5 99,19.5 93,19.5 93,15 86.99,15 87,36.5
Net-(D15-K) on Bottom: 87,20 87,109 99,109 99,99.5 93,99.5 93,32.5 99,32.5 99,20
Net-(D15-K) on Bottom: 87,20 87,109 99,109 99,99.5 93,99.5 93,32.5 99,32.5 99,20
Net-(D17-K) on Top: 111.5,89.9 99.5,89.9 99.5,54 105.5,54 105.5,80.25 111.5,80.25
Net-(D17-K) on Top: 111.5,89.9 99.5,89.9 99.5,54 105.5,54 105.5,80.25 111.5,80.25
Net-(D18-K) on Top: 103.5,36.5 103.5,33.5 111.5,33.5 111.5,19.5 105.5,19.5 105.5,15 99.49,15 99.5,36.5
Net-(D18-K) on Top: 103.5,36.5 103.5,33.5 111.5,33.5 111.5,19.5 105.5,19.5 105.5,15 99.49,15 99.5,36.5
Net-(D18-K) on Bottom: 99.5,20 99.5,109 111.5,109 111.5,99.5 105.5,99.5 105.5,32.5 111.5,32.5 111.5,20
Net-(D18-K) on Bottom: 99.5,20 99.5,109 111.5,109 111.5,99.5 105.5,99.5 105.5,32.5 111.5,32.5 111.5,20
Net-(D20-K) on Top: 124,89.9 112,89.9 112,54 118,54 118,80.25 124,80.25
Net-(D20-K) on Top: 124,89.9 112,89.9 112,54 118,54 118,80.25 124,80.25
Net-(D21-K) on Top: 116,36.5 116,33.5 124,33.5 124,19.5 118,19.5 118,15 111.99,15 112,36.5
Net-(D21-K) on Top: 116,36.5 116,33.5 124,33.5 124,19.5 118,19.5 118,15 111.99,15 112,36.5
Net-(D21-K) on Bottom: 112,20 112,109 124,109 124,99.5 118,99.5 118,32.5 124,32.5 124,20
Net-(D21-K) on Bottom: 112,20 112,109 124,109 124,99.5 118,99.5 118,32.5 124,32.5 124,20
Net-(D23-K) on Top: 136.5,89.9 124.5,89.9 124.5,54 130.5,54 130.5,80.25 136.5,80.25
Net-(D23-K) on Top: 136.5,89.9 124.5,89.9 124.5,54 130.5,54 130.5,80.25 136.5,80.25
Net-(D24-K) on Top: 128.5,36.5 128.5,33.5 136.5,33.5 136.5,19.5 130.5,19.5 130.5,15 124.49,15 124.5,36.5
Net-(D24-K) on Top: 128.5,36.5 128.5,33.5 136.5,33.5 136.5,19.5 130.5,19.5 130.5,15 124.49,15 124.5,36.5
Net-(D24-K) on Bottom: 124.5,20 124.5,109 136.5,109 136.5,99.5 130.5,99.5 130.5,32.5 136.5,32.5 136.5,20
Net-(D24-K) on Bottom: 124.5,20 124.5,109 136.5,109 136.5,99.5 130.5,99.5 130.5,32.5 136.5,32.5 136.5,20
Net-(D35-K) on Top: 149,89.9 137,89.9 137,54 143,54 143,80.25 149,80.25
Net-(D35-K) on Top: 149,89.9 137,89.9 137,54 143,54 143,80.25 149,80.25
Net-(D36-K) on Top: 141,36.5 141,33.5 149,33.5 149,19.5 143,19.5 143,15 136.99,15 137,36.5
Net-(D36-K) on Top: 141,36.5 141,33.5 149,33.5 149,19.5 143,19.5 143,15 136.99,15 137,36.5
Net-(D36-K) on Bottom: 137,20 137,109 149,109 149,99.5 143,99.5 143,32.5 149,32.5 149,20
Net-(D36-K) on Bottom: 137,20 137,109 149,109 149,99.5 143,99.5 143,32.5 149,32.5 149,20
Net-(D38-K) on Top: 161.5,89.9 149.5,89.9 149.5,54 155.5,54 155.5,80.25 161.5,80.25
Net-(D38-K) on Top: 161.5,89.9 149.5,89.9 149.5,54 155.5,54 155.5,80.25 161.5,80.25
Net-(D39-K) on Top: 153.5,36.5 153.5,33.5 161.5,33.5 161.5,19.5 155.5,19.5 155.5,15 149.49,15 149.5,36.5
Net-(D39-K) on Top: 153.5,36.5 153.5,33.5 161.5,33.5 161.5,19.5 155.5,19.5 155.5,15 149.49,15 149.5,36.5
Net-(D39-K) on Bottom: 149.5,20 149.5,109 161.5,109 161.5,99.5 155.5,99.5 155.5,32.5 161.5,32.5 161.5,20
Net-(D39-K) on Bottom: 149.5,20 149.5,109 161.5,109 161.5,99.5 155.5,99.5 155.5,32.5 161.5,32.5 161.5,20
Net-(D41-K) on Top: 174,89.9 162,89.9 162,54 168,54 168,80.25 174,80.25
Net-(D41-K) on Top: 174,89.9 162,89.9 162,54 168,54 168,80.25 174,80.25
Net-(D42-K) on Top: 166,36.5 166,33.5 174,33.5 174,19.5 168,19.5 168,15 161.99,15 162,36.5
Net-(D42-K) on Top: 166,36.5 166,33.5 174,33.5 174,19.5 168,19.5 168,15 161.99,15 162,36.5
Net-(D42-K) on Bottom: 162,20 162,109 174,109 174,99.5 168,99.5 168,32.5 174,32.5 174,20
Net-(D42-K) on Bottom: 162,20 162,109 174,109 174,99.5 168,99.5 168,32.5 174,32.5 174,20
Net-(D44-K) on Top: 186.5,89.9 174.5,89.9 174.5,54 180.5,54 180.5,80.25 186.5,80.25
Net-(D44-K) on Top: 186.5,89.9 174.5,89.9 174.5,54 180.5,54 180.5,80.25 186.5,80.25
Net-(D45-K) on Top: 178.5,36.5 178.5,33.5 186.5,33.5 186.5,19.5 180.5,19.5 180.5,15 174.49,15 174.5,36.5
Net-(D45-K) on Top: 178.5,36.5 178.5,33.5 186.5,33.5 186.5,19.5 180.5,19.5 180.5,15 174.49,15 174.5,36.5
Net-(D45-K) on Bottom: 174.5,20 174.5,109 186.5,109 186.5,99.5 180.5,99.5 180.5,32.5 186.5,32.5 186.5,20
Net-(D45-K) on Bottom: 174.5,20 174.5,109 186.5,109 186.5,99.5 180.5,99.5 180.5,32.5 186.5,32.5 186.5,20
Net-(Q4-D) on Top: 41,36.5 41,40 44.5,40 44.5,42.5 49,42.5 49,53 37,53 37,36.5
Net-(Q8-D) on Top: 53.5,36.5 53.5,40 57,40 57,42.5 61.5,42.5 61.5,53 49.5,53 49.5,36.5
Net-(Q8-D) on Top: 53.5,36.5 53.5,40 57,40 57,42.5 61.5,42.5 61.5,53 49.5,53 49.5,36.5
Net-(Q12-D) on Top: 66,36.5 66,40 69.5,40 69.5,42.5 74,42.5 74,53 62,53 62,36.5
Net-(Q12-D) on Top: 66,36.5 66,40 69.5,40 69.5,42.5 74,42.5 74,53 62,53 62,36.5
Net-(Q16-D) on Top: 78.5,36.5 78.5,40 82,40 82,42.5 86.5,42.5 86.5,53 74.5,53 74.5,36.5
Net-(Q16-D) on Top: 78.5,36.5 78.5,40 82,40 82,42.5 86.5,42.5 86.5,53 74.5,53 74.5,36.5
Net-(Q20-D) on Top: 91,36.5 91,40 94.5,40 94.5,42.5 99,42.5 99,53 87,53 87,36.5
Net-(Q20-D) on Top: 91,36.5 91,40 94.5,40 94.5,42.5 99,42.5 99,53 87,53 87,36.5
Net-(Q24-D) on Top: 103.5,36.5 103.5,40 107,40 107,42.5 111.5,42.5 111.5,53 99.5,53 99.5,36.5
Net-(Q24-D) on Top: 103.5,36.5 103.5,40 107,40 107,42.5 111.5,42.5 111.5,53 99.5,53 99.5,36.5
Net-(Q28-D) on Top: 116,36.5 116,40 119.5,40 119.5,42.5 124,42.5 124,53 112,53 112,36.5
Net-(Q28-D) on Top: 116,36.5 116,40 119.5,40 119.5,42.5 124,42.5 124,53 112,53 112,36.5
Net-(Q32-D) on Top: 128.5,36.5 128.5,40 132,40 132,42.5 136.5,42.5 136.5,53 124.5,53 124.5,36.5
Net-(Q32-D) on Top: 128.5,36.5 128.5,40 132,40 132,42.5 136.5,42.5 136.5,53 124.5,53 124.5,36.5
Net-(Q38-D) on Top: 141,36.5 141,40 144.5,40 144.5,42.5 149,42.5 149,53 137,53 137,36.5
Net-(Q38-D) on Top: 141,36.5 141,40 144.5,40 144.5,42.5 149,42.5 149,53 137,53 137,36.5
Net-(Q42-D) on Top: 153.5,36.5 153.5,40 157,40 157,42.5 161.5,42.5 161.5,53 149.5,53 149.5,36.5
Net-(Q42-D) on Top: 153.5,36.5 153.5,40 157,40 157,42.5 161.5,42.5 161.5,53 149.5,53 149.5,36.5
Net-(Q46-D) on Top: 166,36.5 166,40 169.5,40 169.5,42.5 174,42.5 174,53 162,53 162,36.5
Net-(Q46-D) on Top: 166,36.5 166,40 169.5,40 169.5,42.5 174,42.5 174,53 162,53 162,36.5
Net-(Q50-D) on Top: 178.5,36.5 178.5,40 182,40 182,42.5 186.5,42.5 186.5,53 174.5,53 174.5,36.5
Net-(Q50-D) on Top: 178.5,36.5 178.5,40 182,40 182,42.5 186.5,42.5 186.5,53 174.5,53 174.5,36.5

## Text on the board
F.Silkscreen: 1:5V0 / 2:SIG / 3:GND | REV D | github.com/hoeken/frothfet | CH1 | CH2 | CH3 | CH4 | CH5 | CH6 | CH7 | CH8 | CH9 | CH10 | CH11 | CH12 | BYPASS | NORMAL | POSITIVE / +BUS+ | NEGATIVE / -BUS- | FrothFET 12CH | YARRBOARD
